# Allegro board WeChat_ZM_PART_20200601.brd (continued)
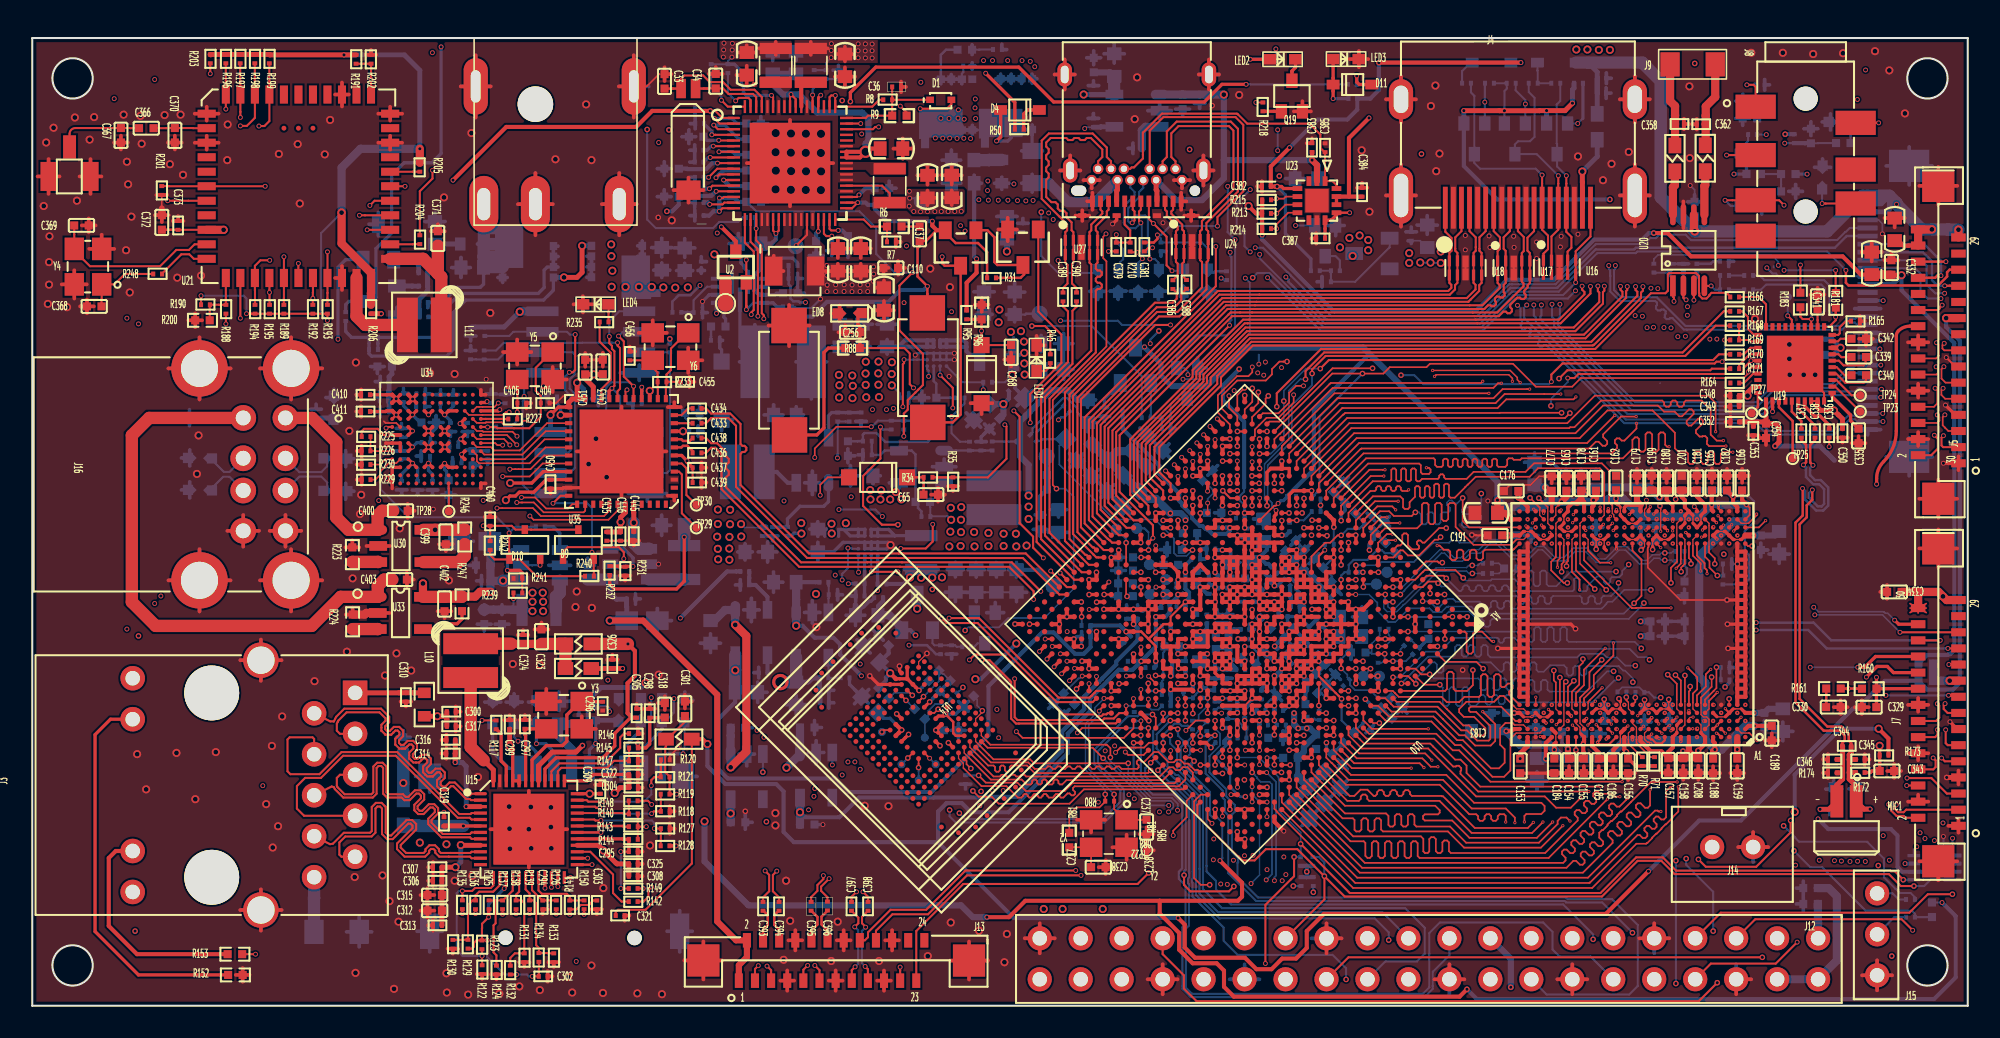
[diagram p0: board, top side]
## Routing (per net, layer and track width the routed paths; a pad name or vN(x,y) marks a point on that pad's centre or on a via; arc(x,y) is an arc through that point) (continued)
V5.0V: length 151.8
  TOP w0.102: 116.92,24.35 J7.28 ; J7.28 117.43,24.66 ; J7.28 117.43,24.38 ; J7.28 116.42,24.66 ; J7.28 116.42,24.93 ; J7.28 117.43,24.93 ; J7.28 116.42,24.38
  TOP w0.203: U23.13 U23.12
  TOP w0.254: 81.64,50.17 81.64,53.8 v1(82.88,55.05) ; 81.64,50.17 U23.13 ; 81.64,50.17 82.17,50.17 82.17,50.17 C384.1 ; J5.28 116.35,47.13 116.33,47.12 116.03,47.12 115.71,47.44 C333.1
  TOP w0.305: C443.1 35.37,39.15 v5(34.81,39.15) C451.1 34.28,38.88 34.78,38.37 U35.22
  TOP w0.381: v5(35.8,23.88) 37.87,23.88 42.47,19.28 42.47,5.23 43.64,4.06 J13.2 44.31,3.01 43.81,2.51 J13.1
  TOP w0.508: v5(117.78,48.14) 116.92,48.14 J5.28 ; U20.6 103.02,48.11 103.07,48.06 v5(103.07,48.01) ; v5(28.41,25.66) 27.76,25.66 27.46,25.37 R247.1 ; U33.5 v5(24.22,26.18) ; J7.30 116.92,25.66 C334.1 ; J7.30 118.19,25.66 v5(118.47,25.38) 118.69,25.16 J7.29 ; J7.30 J7.28 ; J5.29 v5(119.42,48.12)
  TOP w0.762: U33.5 25.55,25.35 C402.1 26.64,25.36 R247.1 ; 25.64,29.51 v5(24.98,29.51) U30.5 ; 25.64,29.51 C399.1 ; 25.64,29.51 C399.1 ; R246.1 26.81,29.51 C399.1
  POWER1 w0.229: J14.1 104.95,9.84 ; J14.1 103.35,9.84 ; J14.1 104.15,10.64 ; J14.1 104.15,9.04 ; 109.92,1.64 J12.2 ; J12.2 111.52,1.64 ; J12.2 110.72,0.84 ; J12.2 110.72,2.44 ; J12.4 108.98,1.64 ; J12.4 108.18,0.84 ; J12.4 107.38,1.64 ; J12.4 108.18,2.44
  BOTTOM w0.127: R216.1 v1(77.1,59.32)
  BOTTOM w0.229: 56.98,54.01 Q8.7 ; Q8.7 57.28,54.3 ; Q8.7 56.68,54.3 ; Q8.7 56.98,54.58 ; Q4.7 37.82,46.12 ; Q4.7 37.82,45.52 ; Q4.7 37.54,45.82 ; Q4.7 38.11,45.82 ; C73.1 40.45,46.03 ; C73.1 40.95,45.58 ; C73.1 40.45,45.13 ; C73.1 39.95,45.58 ; Q8.5 58.28,54.58 ; Q8.5 58.28,54.01 ; Q8.5 58.58,54.3 ; Q8.5 57.98,54.3 ; 38.53,45.61 C72.1 ; C72.1 39.53,45.61 ; C72.1 39.03,45.16 ; C72.1 39.03,46.06 ; 57.63,54.01 Q8.6 ; Q8.6 57.33,54.3 ; Q8.6 57.63,54.58 ; Q8.6 57.93,54.3 ; C74.1 41.48,45.76 ; C74.1 41.68,45.59 ; C74.1 41.28,45.59 ; C74.1 41.48,45.41 ; 37.74,44.74 Q4.8 38.1,45.17 ; Q4.5 37.82,47.42 ; Q4.5 37.82,46.82 ; Q4.5 37.54,47.12 ; 37.82,46.17 Q4.6 ; Q4.6 37.82,46.77 ; Q4.6 37.54,46.47
  BOTTOM w0.305: J6.29 114.64,49.72 115.14,50.22 115.14,49.38 114.98,49.22 J6.28 ; 28.41,26.34 C444.1 28.41,26.35 C457.1 ; C327.1 97.03,57.49 C328.2 97.03,56.58 ; 97.03,56.58 FB5.2 ; 97.03,56.58 97.03,57.89 96.44,58.48 ; U36.4 35.84,25.58 36.21,25.2 36.83,25.2 C440.1 36.85,24.74 36.86,24.74 C441.1 ; v5(65.18,56.5) C375.1 66.23,56.5 66.23,56.5 U22.5
  BOTTOM w0.381: C374.1 66.83,57.87 C378.1
  BOTTOM w0.508: C442.1 28.41,28.76 28.41,27.31 C457.1 28.41,27.3 v5(28.41,25.66) ; v5(103.07,48.01) 103.07,48.06 103.06,48.07 C364.1 ; J12.4 J12.2 111.89,2.81 111.89,6.79 111.38,7.3 C392.2 ; C441.1 v5(35.8,23.88) ; 116.92,25.66 118.19,25.66 v5(118.47,25.38) ; v5(29.19,26.36) 29.18,26.35 C444.1
  BOTTOM w0.762: C452.1 35.83,26.42 U36.4 ; v5(119.42,48.12) 118.79,48.12 118.78,48.14 v5(117.78,48.14) 117.15,48.14 v1(115.58,49.7) 115.58,49.78 115.14,50.22 J6.30 113.49,50.22 111.28,48.01 v5(103.07,48.01) 100.97,50.12 100.97,57.33 99.82,58.48 D7.1 ; v5(29.19,26.36) U39.4 ; U22.5 67.08,56.51 C374.1
  vias: v1(55.99,53.8) v1(56.33,55.02) v1(56.45,53.79) v1(56.84,55.01) v1(56.88,53.79) v1(57.34,53.78) v1(57.42,55.55) v1(57.4,55.03) v1(57.78,54.97) v1(57.76,53.78) v1(58.18,53.77) v1(58.47,56.22) v1(58.45,55.67) v1(58.49,55.01) v5(35.9,47.21) v5(35.91,46.47) v5(35.92,44.58) v5(35.97,45.57) v5(36.78,44.57) v5(37.62,44.57) v5(38.41,44.57) v5(39.13,44.54) v5(39.87,44.52) v5(40.64,44.54) v5(95.73,59.29) v5(96.42,59.29) v5(97.13,59.26) v5(97.82,59.26)
VBUS_TYPEC: length 48.2
  TOP w0.254: v1(79.35,52.43) 79.35,52.93 C383.1 ; v1(58.55,46.31) 58.55,45.45 57.93,44.83 R95.1
  TOP w0.305: J11.B4 67.28,50.58 67.23,50.53 J11.A9 ; J11.B9 69.68,50.58 69.73,50.53 J11.A4
  TOP w0.381: U23.2 79.65,52.13 v1(79.35,52.43)
  POWER1 w0.381: J11.B4 67.28,50.81 67.66,50.43 69.3,50.43 69.68,50.81 J11.B9
  BOTTOM w0.229: 60.11,50.62 R48.1 ; R48.1 60.56,50.99 ; R48.1 60.11,51.37 ; R48.1 59.66,50.99 ; R47.1 61.99,51.55 ; R47.1 61.99,50.45 ; R47.1 61.34,51 ; 58.4,51.5 C83.1 58.85,50.99
  BOTTOM w0.254: C83.1 58.4,46.46 v1(58.55,46.31)
  BOTTOM w0.381: C376.1 79.69,52.09 v1(79.35,52.43) 73.88,52.43 ; 73.88,52.43 v5(73.88,56.49) ; 73.88,52.43 73.88,51.3 72.52,49.95 70.92,49.95 J11.B9
  BOTTOM w0.508: v5(73.88,56.49) C377.1 C380.1 71.32,56.5 U22.1
  BOTTOM w0.635: R47.1 63.05,51 64.22,49.83 65.92,49.83 J11.B4
  vias: v1(58.69,49.97) v1(59.24,51.13) v1(59.22,50.54) v1(59.28,49.95) v1(59.89,49.94) v1(60.49,49.94) v1(60.86,50.95) v1(61.08,49.92) v1(61.6,49.9) v1(62.05,49.93)
VCC0V9_DDR0PLL: length 6
  TOP w0.102: v2(81.15,29.16) 80.93,29.16 80.47,28.71 80.16,28.71 79.31,27.85 U10.R8
  BOTTOM w0.127: v2(81.15,29.16) 81.56,29.57 82.27,29.57 C215.1 82.25,30.27 82.25,30.3 R76.2
VCC0V9_DDR1PLL: length 5.7
  TOP w0.127: v2(81.18,19.03) 81.01,19.2 81.01,19.2 80.82,19.39 80.82,19.39 79.77,20.44 U10.H14
  BOTTOM w0.127: v2(81.18,19.03) 81.18,17.7 R79.2 82.16,17.16 82.16,17.17 C217.1
VCC0V9_S3: length 38.9
  TOP w0.102: U10.H20 v2(77.01,17.69)
  TOP w0.254: U10.L24 v2(73.79,17.23)
  SIG1 w0.203: v2(73.79,17.23) 73.79,16.64 74.12,16.31 74.8,16.31 75.72,17.23 76.55,17.23 v2(77.01,17.69)
  POWER1 w0.254: v2(54.76,22.97) 55.06,22.97 59.33,18.7 59.33,17.96 63.29,14.01 v2(75.15,14.01)
  SIG2 w0.152: v2(73.79,17.23) 73.86,17.16 73.86,16.59 74.12,16.34 74.27,16.34 75.47,15.13 75.47,14.8 75.15,14.48 v2(75.15,14.01)
  BOTTOM w0.102: C247.1 77.01,17.56 v2(77.01,17.69)
  BOTTOM w0.127: C286.1 74.11,17.23
  BOTTOM w0.254: C90.1 52.75,25.1 52.44,24.79 C89.1 ; 74.11,17.23 v2(73.79,17.23) ; Q10.2 54.44,23.29 v2(54.76,22.97)
  BOTTOM w0.508: Q10.2 53.91,23.44 53.14,24.21 C89.1
VCC1V8_DDR: length 298.1
  TOP w0.076: 94.62,31.05 94.46,30.89 94.46,30.41 U11.AH25 ; 98.32,16.16 98.46,16.3 98.46,16.91 98.5,16.95 ; 99.02,29.91 99.4,29.91 ; 98.46,30.86 98.46,30.47 ; 99.71,17.23 U11.B14 ; 94.46,16.31 94.46,16.91
  TOP w0.102: U10.AB8 77,31 77.1,31 v1(77.24,31.15) ; v2(106.28,31.08) 106.48,30.88 106.48,30.42 U11.AH1 ; 98.3,16.13 98.32,16.16
  TOP w0.127: v1(29.56,29.31) 29.56,29.1 29.56,28.94 29.56,28.93 29.56,28.16 29.59,28.14 D10.1 ; D10.1 28.66,27.67 28.39,27.95 R242.2 ; D10.1 30.21,27.67 31.25,26.63 R240.2 ; U11.B14 99.88,17.33 v6(99.9,17.33) ; U11.AH10 v3(101.71,30.04) ; U11.B16 98.88,17.33 98.91,17.33 v6(98.93,17.35) ; R225.1 20.42,35.63 20.56,35.77 21.42,35.77 21.8,35.39 v1(22,35.39) U34.G12 ; v6(101.6,17.05) 101.71,17.16 U11.B10 ; v1(45.83,56.44) 45.93,56.34 U1.63
  TOP w0.152: v1(22.57,36.64) 22.32,36.39 U34.J12 ; 98.46,30.86 98.46,30.93 98.3,31.09
  TOP w0.203: v1(22.57,36.64) 22.57,36.63 U34.J11 ; v1(22.57,36.64) U34.K11 ; v1(22.57,36.64) 22.56,36.64 ; 98.46,30.47 98.46,30.41 U11.AH16 98.96,29.91 99.02,29.91 ; 22.56,37.64 v1(22.57,37.64) U34.M11 ; U34.M12 21.97,37.89 21.96,37.88 C410.1 ; v1(23.59,37.62) 23.55,37.62 ; v1(23.59,37.62) 23.59,37.66 U34.M9 ; v1(23.59,37.62) 23.81,37.39 U34.L9 ; U34.K12 21.97,36.89 21.92,36.84 C411.1 ; v2(94.82,31.25) 94.62,31.05 ; U11.AH14 99.46,29.91 99.4,29.91
  TOP w0.229: C9.1 44.8,59.1 ; C9.1 43.8,59.1 ; C9.1 44.3,59.55 ; L3.2 46.09,59.76 ; L3.2 45.04,59.36 ; L3.2 46.09,58.96
  TOP w0.254: C162.1 v2(98.2,31.45) 98.2,31.2 98.3,31.09 ; U11.B1 106.41,17.35 106.46,17.35 106.46,17.35 v2(106.77,17.35) C189.1 ; U34.L11 v1(22.57,37.64) ; v1(22.57,37.64) U34.L12 ; v1(22.57,37.64) 22.32,37.89 U34.M12 ; U11.A20 96.71,16.39 96.71,16.39 96.71,16.11 97.11,15.7 C185.1 ; 98.5,16.95 U11.B16 ; U34.L10 23.36,37.39 v1(23.59,37.62) 23.32,37.89 U34.M10 ; v1(22.57,36.64) 22.32,36.89 U34.K12 ; U34.G12 U34.G11 ; 98.3,16.13 98.03,15.87 C186.1 ; U11.B29 91.95,17.16 91.95,17.16 91.88,17.16 91.88,17.15 91.82,17.15 91.69,17.02 v2(91.39,17.02) ; 106.26,31.09 v2(106.28,31.08) ; 106.26,31.09 106.01,31.35 C166.1 ; 106.26,31.09 106.25,31.09 ; U11.AJ5 104.12,30.75 v2(104.12,31.08) 104.12,31.56 104.14,31.58 C165.1 ; 91.69,30.16 U11.AH29 ; U10.J24 v1(74.71,17.22) U10.K23 ; v2(104.32,15.88) 104.32,16.29 104.21,16.39 U11.A5 ; 94.46,16.31 94.37,16.22 v2(94.37,15.87) C184.1 ; U11.AJ20 96.71,30.92 96.79,31 v2(96.79,31.35) ; 94.46,16.91 U11.B25
  TOP w0.305: v1(95.49,55.96) 95.03,55.5 95.03,55.5 v1(93.89,55.5) 93.46,55.5 93.45,55.49 v1(91.27,55.49) 90.97,55.49 90.97,55.5 v1(88.76,55.5) ; R206.1 21.63,42.91 v1(21.64,42.9)
  TOP w0.381: v2(104.32,15.88) 104.22,15.78 C188.1 ; 91.69,30.16 91.29,30.56 C160.1 v2(90.84,31.35) ; v2(94.82,31.25) 95.12,31.55 C163.1 ; v2(96.79,31.35) 96.8,31.35 96.95,31.5 C161.1 ; C186.1 97.87,15.32 97.87,15.32 v2(97.61,15.32) 97.31,15.32 97.3,15.32 C185.1
  GND1 w0.127: v6(101.6,17.05) 101.26,17.05 101.15,17.16 100.14,17.16 100.13,17.18 100.05,17.18 v6(99.9,17.33) 99.11,17.33 99.09,17.35 v6(98.93,17.35)
  SIG1 w0.127: v1(50.6,26.17) 50.6,27.42 51.22,28.04 51.22,32.68 53.39,34.85 v1(53.39,37.04)
  POWER1 w0.127: 101.74,30 101.74,30.01 v3(101.71,30.04)
  POWER1 w0.203: v3(101.71,30.04) 101.97,30.04
  POWER1 w0.254: v2(97.82,49.99) 97.82,48.98 100.76,46.03 102.08,46.03 103.66,44.46 103.66,41.19 103.94,40.91 103.94,34.98 106.28,32.64 v2(106.28,31.08)
  POWER1 w0.305: 101.97,30.04 102.34,29.67 102.34,29.51 102.55,29.3 102.84,29.3 103.34,29.8 103.36,29.8 103.63,30.08 104.32,30.08 104.37,30.03 104.84,30.03 105.01,29.86 105.01,29.68 105.21,29.47 105.51,29.47 105.71,29.68 105.71,29.98 106.22,30.49
  SIG2 w0.203: v1(68.96,40.85) 66.7,40.85 62.36,36.51 57.27,36.51 57.25,36.53 v1(57,36.53) 53.9,36.53 v1(53.39,37.04)
  SIG2 w0.254: v1(74.71,17.22) 76.14,17.22 76.16,17.21 76.45,16.92 76.45,16.91 76.45,16.9 76.45,16.74 76.79,16.4 76.79,16.39 76.81,16.33 76.83,16.28 76.87,16.23 77.36,15.74 77.41,15.71 77.46,15.68 77.52,15.67 77.53,15.67 77.87,15.33 78.2,15.33 79.36,14.17 79.36,8.65 v2(79.02,8.31)
  BOTTOM w0.102: R5.2 43.13,58.57 v1(43.38,58.81) ; 74.71,16.86 74.71,16.81 74.73,16.79
  BOTTOM w0.127: R21.1 57.86,34.97 57.52,34.97 57,35.49 v1(57,36.53) 57.8,37.33 R32.1 ; C273.1 74.73,16.84 ; v2(38.13,54.33) 38.13,48.75 38.66,48.21 42.21,48.21 42.6,48.6 43.76,48.6 44.04,48.87 44.24,48.87 R3.1 ; R5.2 R4.2 ; v1(22,35.39) 21.62,35 21.62,32.01 23.34,30.28 28.8,30.28 29.56,29.52 v1(29.56,29.31) 29.96,29.7 R238.2 ; R156.1 R154.1 91.42,56.86 91.27,56.71 v1(91.27,55.49) Q15.1
  BOTTOM w0.203: v1(45.83,56.44) 44.27,56.44 44.09,56.62 44.09,57.03 43.97,57.16 43.97,57.94 43.53,58.38 R5.2 ; v1(74.71,17.22) 74.71,16.86 74.73,16.84 C277.1 ; v1(68.96,40.85) 68.45,40.85 Q11.3 ; C414.1 23.82,37.85 v1(23.59,37.62) 23.8,37.4 C416.1 ; v1(50.6,26.17) 50.6,26.17 R10.1 ; v1(77.24,31.15) 77.42,31.32 77.58,31.32 77.8,31.55 C278.1 ; 22.37,36.83 C415.1 ; C412.1 22.13,38.71 ; v1(22.57,37.64) 22.43,37.77 C413.1
  BOTTOM w0.254: Q16.1 88.76,52.06 90.83,49.99 v2(97.82,49.99) ; 82.89,40.43 82.89,40.4 79.45,36.96 79.45,33.25 77.8,31.6 C278.1 ; 79.02,7.97 v2(79.02,8.31) 79.02,8.68 ; 79.02,7.97 R106.2 ; 79.02,7.97 R105.2 ; v1(22.57,36.64) 22.37,36.83 ; R104.2 79.02,8.68 ; 79.02,8.68 R103.2 ; U29.3 U29.6 115.92,8.31 115.65,8.59 115.65,10.55 115.24,10.95 111.35,10.95 v1(110.72,11.59)
  BOTTOM w0.305: 70.65,38.41 69.98,39.07 69.98,39.8 68.98,40.81 68.88,40.81 ; C415.1 22.12,37.43 22.09,37.47 C413.1 22.09,38.07 22.12,38.1 C412.1 22.12,39 22.3,39.18 C409.1 ; 68.88,40.81 68.94,40.86 68.93,40.86 ; 68.88,40.81 Q11.3 ; R158.1 95.59,56.9 95.49,56.8 v1(95.49,55.96) ; Q17.1 v1(93.89,55.5) ; Q16.1 v1(88.76,55.5)
  BOTTOM w0.381: 70.65,38.41 72.8,38.41 75.2,40.81 82.51,40.81 90.84,32.48 v2(90.84,31.35)
  BOTTOM w0.483: v2(104.12,31.08) 104.54,31.08 104.56,31.06 105.67,31.06 105.69,31.08 v2(106.28,31.08)
  BOTTOM w0.508: 103.73,16.46 v2(104.32,15.88) 104.75,15.88 106.22,17.35 v2(106.77,17.35) ; 103.73,16.46 103.73,20.01 103.35,20.4 C164.1 C187.1 103.35,27.16 103.48,27.29 103.48,28.02 105.49,30.03 106.12,30.03 106.28,30.19 106.28,30.65 v2(106.28,31.08) ; 103.73,16.46 98.76,16.46 v2(97.61,15.32) 94.92,15.32 v2(94.37,15.87) 94.06,16.19 92.23,16.19 v2(91.39,17.02) C183.1 ; v2(90.84,31.35) 91.28,30.92 93.62,30.92 93.95,31.25 v2(94.82,31.25) 96.69,31.25 v2(96.79,31.35) 97.67,31.35 97.77,31.45 v2(98.2,31.45) 98.62,31.45 99.73,30.34 101.05,30.34 101.05,30.33 103.38,30.33 v2(104.12,31.08)
  vias: v1(42.85,58.82) v1(42.88,59.68) v1(42.87,59.26) v1(43.41,59.67) v1(43.4,59.26) v5(62.71,6) v5(63.88,6) v5(66.37,6)
VCC1V8_DVP: length 107
  TOP w0.127: U1.31 48.73,48.02 v1(48.73,48.02)
  TOP w0.254: v2(100.53,47.91) 101.4,47.91 102.84,46.46 112.24,46.46 113.37,45.33 C331.1 ; 76.26,48.46 76.25,48.46 ; 76.25,48.46 76.25,48.46 R213.1 ; 76.25,48.46 R214.1 v1(76.25,47.79) ; R213.1 75.87,49.12 v5(75.41,49.59) ; R213.1 76.25,49.4 76.26,49.41 R215.1
  TOP w0.305: v5(115.9,45.29) 115.3,45.29 C332.1
  TOP w0.508: C332.1 114.76,45.32 114.75,45.33 C331.1
  SIG2 w0.254: v1(48.73,48.02) 49.24,48.52 50.39,48.52 50.75,48.16 56.82,48.16 57.45,48.8 60.29,48.8 60.82,48.27 63.42,48.27 64.62,49.46 74.91,49.46 75.04,49.59 v5(75.41,49.59)
  BOTTOM w0.254: v5(115.9,45.29) 115.9,44.36 119.16,41.09 119.16,22.05 118.92,21.8 118.82,21.8 118.77,21.75 117.48,21.75 R162.1 ; v1(48.73,48.02) 48.6,47.88 48.6,47.42 C14.1 ; v1(76.25,47.79) 76.25,47.51 80.73,43.03 89.46,43.03 91.44,45.01 91.86,45.01 94.34,45.01 96.82,47.5 99.83,47.5 100.23,47.91 v2(100.53,47.91)
  BOTTOM w0.305: v5(115.9,45.29) 115.32,44.72 J6.19
VCC1V8_PMUPLL: length 88.5
  TOP w0.127: v1(42.25,54.6) 42.51,54.35 U1.3
  TOP w0.254: U10.R24 71.88,19.6 70.58,19.6 U10.U25 70.59,19.97 v2(70.59,19.61)
  SIG1 w0.127: v2(79.87,31.03) 79.43,31.03 79.13,30.72 79.13,30.46 78.71,30.04 78.71,29.96 78.37,29.62 77.17,29.62 76.1,30.69 75.5,30.69 75.32,30.87 75.04,30.87 74.63,30.45 74.63,29.72 75.79,28.55 76.11,28.55 76.58,28.09 76.58,25.91 76.86,25.63 76.86,25.35 75.76,24.25 75.5,24.25 75.32,24.43 72.25,24.43 72.08,24.26 71.82,24.26 71.63,24.45 69.56,24.45 69.54,24.43 69.53,24.43 69.35,24.25 69.35,23.99 69.81,23.53 70.71,23.53 70.84,23.4 71.83,22.41 71.83,21.24 71.38,20.79 71.38,20.78 71.2,20.6 71.19,20.6 70.59,20 v2(70.59,19.61)
  POWER1 w0.254: v2(79.87,31.03) 79.87,36.82 78.33,38.36 76.59,38.36 76.21,38.74 75.03,38.74 74.45,39.32 74.45,39.75 67.29,46.92 66.98,47.22 66.52,47.22 65.74,48.01 65.74,48.47 62.24,51.96 51,51.96 50.32,52.64 50.32,53.66 48.96,55.03 48.49,55.04 46,55.04 45.56,54.6 v1(42.25,54.6)
  BOTTOM w0.203: R102.2 v2(79.87,31.03) R101.2 ; v1(42.25,54.6) 42.93,54.6 43.8,53.73 C17.1
  BOTTOM w0.254: C244.1 70.58,19.58 70.58,19.65 ; C243.1 70.58,19.65 ; 70.58,19.65 70.59,19.64 v2(70.59,19.61) 70.59,18.88 70.58,18.87 R99.2
VCC1V8_S3: length 133.6
  TOP w0.127: v2(53.67,29.82) 52.68,29.82 51.51,30.99 51.51,32.85 52.59,33.92 v1(52.59,35.88)
  TOP w0.203: U14.K6 56.9,16.21 56.9,16.21 v2(56.8,16.31) ; v2(54.98,19.55) 54.78,19.74 54.78,19.74 U14.W4 U14.Y4 ; U14.Y4 53.79,20.27 U14.AA5 ; U14.Y4 U14.AA3
  TOP w0.254: U10.J20 v2(77.01,18.6) 77.01,19.06 U10.J19 ; U10.K24 v2(74.25,16.77) ; U14.AA5 v5(53.19,20.62) ; U10.J22 75.69,17.68 v2(76.09,17.68) ; U10.AB14 v2(73.33,26.87) ; U10.AB12 v2(73.79,28.25) ; U10.AC10 v2(74.25,29.63)
  SIG1 w0.127: v2(76.09,17.68) 76.09,17.92 76.12,17.96 76.12,18.17 76.56,18.6 v2(77.01,18.6)
  SIG1 w0.203: v2(76.09,17.68) 75.68,17.68 74.76,16.77 v2(74.25,16.77)
  SIG1 w0.381: v5(53.19,20.62) 53.19,22.16 55.8,24.77 v2(55.8,25.81)
  POWER1 w0.254: v2(56.8,16.31) 57.02,16.08 59.23,16.08 61.65,13.66 73.25,13.66 74.18,12.73 74.98,12.73 v2(75.21,12.96) ; v1(40.18,24.03) 40.18,22.56 44.78,17.96 50.54,17.96 v5(53.19,20.62)
  POWER1 w0.381: v2(55.8,25.81) 53.59,25.81 52.55,26.85 52.55,28.71 v2(53.67,29.82) 55.47,31.63 v5(61.77,31.63) ; v2(56.8,16.31) 57.18,16.68 57.18,18.55 55.92,19.8 55.24,19.8 v2(54.98,19.55) ; v5(53.19,20.62) 53.55,20.26 54.26,20.26 54.95,19.57
  SIG2 w0.254: v2(74.25,29.63) 74.25,28.72 v2(73.79,28.25) 73.49,28.25 73.48,28.25 73.2,28.25 72.87,27.92 72.87,27.33 v2(73.33,26.87)
  BOTTOM w0.152: v2(75.21,12.96) 74.87,12.96 74.27,13.57 74.27,14.45 73.41,15.31 73.41,15.53 73.49,15.61 ; v1(52.59,35.88) 52.74,35.73 R25.2 ; 61.06,34.98 R18.1
  BOTTOM w0.203: v2(54.98,19.55) 55.17,19.74 55.18,19.74 R116.1 ; 66.47,37.26 66.47,37.62 66.83,37.98 66.98,37.98 67.45,38.46 Q11.2 ; 73.49,15.61 74.25,16.37 v2(74.25,16.77)
  BOTTOM w0.229: C92.1 66.67,37.08 ; C92.1 66.47,37.26 ; C92.1 66.27,37.08 ; 65.43,37.11 C91.1 ; C91.1 65.43,38.01 ; C91.1 65.93,37.56
  BOTTOM w0.254: v2(76.09,17.68) 76.09,17.43 C269.1 ; 67.6,36.96 67.6,35.77 69.88,33.49 69.88,33 71.12,31.76 71.12,31.3 71.24,31.18 71.28,31.12 71.3,31.06 71.31,31.01 71.91,30.42 71.91,30.23 72.39,29.74 72.56,29.74 72.75,29.56 72.81,29.55 72.88,29.52 72.94,29.48 73.16,29.26 74.07,29.26 74.25,29.44 v2(74.25,29.63) C280.1 ; v2(77.01,18.6) 77.01,18.3 C285.1 ; v2(73.79,28.25) 73.42,28.25 C287.1 ; v1(40.18,24.03) 43.08,26.93 43.65,26.93 43.65,26.93 R29.1 ; C293.1 53.09,21.85 C292.1 53.19,20.63 v5(53.19,20.62) 52.93,20.35 52.93,20.15 R114.1 ; v2(74.25,16.77) 73.91,16.43 C248.1 ; C279.1 73.33,26.83 v2(73.33,26.87)
  BOTTOM w0.381: 61.24,34.98 61.06,34.98 ; 61.24,34.98 61.24,34.07 61.77,33.53 v5(61.77,31.63) ; 61.24,34.98 61.24,36.23 61.61,36.6 61.62,36.6 61.86,36.84 61.86,36.85 63.17,38.16 64.19,38.16 64.79,37.56 C91.1
VCC3V0_SD: length 22.4
  POWER1 w0.254: v5(43.3,11.92) 42.49,11.92 39.67,14.74 39.67,17.1 38.02,18.75 v5(38.02,20.02)
  BOTTOM w0.305: v5(38.02,20.02) 37.74,19.74 35.26,19.74 34.46,18.94 34.46,17.74 34.2,17.48 C252.1
  BOTTOM w0.508: C252.1 C251.1 32.66,16.69 33.44,15.91 J2.4 ; U13.5 v5(43.3,11.92) 43.3,11.38 C254.1
VCC3V0_TOUCH: length 1.9
  TOP w0.127: v1(49.97,48.07) 49.53,48.07 49.43,48.17 U1.33
  BOTTOM w0.254: v1(49.97,48.07) 50.22,48.07 C16.1
VCC3V3_S0: length 44.8
  TOP w0.127: U1.11 42.6,51.55 v1(42.39,51.34)
  SIG1 w0.305: v1(42.39,51.34) 42.39,51.06 43.18,50.27 43.18,48.16 45.77,45.58 45.77,32.85 46.18,32.44 46.18,22.31 47.12,21.36 47.12,15.12 v5(46.76,14.76)
  BOTTOM w0.254: v1(42.39,51.34) 42.59,51.53 42.59,51.53 42.85,51.79 C30.1
  BOTTOM w0.508: 47.6,15.62 47.6,15.7 U12.1 C245.1 ; 47.6,15.62 47.6,15.61 v5(46.76,14.76) ; 47.6,15.62 47.6,15.63
VCC3V3_S3: length 316.9
  TOP w0.102: U14.M6 56.18,16.93 56.18,16.93
  TOP w0.127: C321.1 36.17,5.81 36.32,5.95 38.02,5.95 40.89,8.82 FB4.1 ; U1.7 v1(42.58,52.95)
  TOP w0.203: v1(75.26,57.13) 73.76,57.13 72.67,56.04 63.32,56.04 61.16,58.2 52.3,58.2 50.72,56.62 v2(50.72,56.06)
  TOP w0.254: 53.91,17.1 53.89,17.1 U14.U9 ; 53.91,17.1 v2(53.91,17.1) ; 53.91,17.1 53.74,16.93 53.74,16.93 U14.T10 ; U10.J23 v2(75.17,17.68) ; U10.AB18 71.42,25.5 71.42,25.5 v2(71.03,25.5) ; U10.AB21 v2(69.66,24.12) ; v1(100.2,8.34) 97.56,5.69 80.09,5.69 79.02,4.63 79.02,3.59 78.36,2.93 77.5,2.93 76.84,2.27 75.9,2.27 75.18,2.98 72.09,2.98 71.45,3.61 71.45,5.03 v1(71.04,5.44) ; v5(41.86,16.23) 41.56,16.53 FB4.1 ; 56.18,16.93 v2(56.02,17.08) 56.37,17.43 U14.N5 ; U10.Y25 v2(68.75,21.36)
  TOP w0.508: J5.19 v5(118.66,42.63)
  SIG1 w0.127: v2(75.17,17.68) 74.61,17.68 74.48,17.8 73.86,18.43 73.07,18.43 71.83,19.67 71.64,19.85 71.64,20.11 72.05,20.52 72.05,21.51 72.27,21.73 72.27,22.87 71.02,24.12 v2(69.66,24.12)
  SIG1 w0.203: v1(42.58,52.95) 44.85,55.22 49.89,55.22 v2(50.72,56.06)
  SIG1 w0.381: v1(42.58,52.95) 44.26,51.26 44.26,48.18 46.09,46.35 46.54,45.9 46.54,33.18 47.03,32.7 47.03,31.13 47.02,31.12 47.02,30.43 46.61,30.03 46.61,22.49 47.65,21.44 47.65,14.64 46.76,13.75 42.93,13.75 41.88,14.79 41.88,15.76 41.86,15.78 v5(41.86,16.23)
  POWER1 w0.254: v2(53.91,17.1) 54.12,17.31 55.49,17.31 55.72,17.08 v2(56.02,17.08)
  POWER1 w0.381: v5(23.01,13.81) 23.01,14.99 28.47,20.45 33.91,20.45 36.4,22.94 38.33,22.94 41.86,19.41 v5(41.86,16.23) 53.03,16.23 v2(53.91,17.1)
  BOTTOM w0.127: v1(75.26,57.13) 75.54,57.13 75.54,57.13 R217.1
  BOTTOM w0.203: v1(42.58,52.95) 43.41,52.95 43.6,52.76 C28.1 ; C290.1 52.77,17.82 53.18,17.82 v2(53.91,17.1)
  BOTTOM w0.254: v2(75.17,17.68) C267.1 ; C261.1 71.29,25.5 v2(71.03,25.5) 71.03,25.4 70.51,24.87 70.51,24.37 70.26,24.12 69.99,24.12 ; v5(41.86,16.23) 41.86,14.86 42.98,13.75 46.13,13.75 46.58,13.29 46.58,10.77 47.22,10.14 56.16,10.14 ; 56.16,10.14 56.16,12.04 56.68,12.57 57.63,12.57 58.2,11.99 60.53,11.99 64.2,15.66 64.2,16.88 65.57,18.25 65.57,19.04 65.8,19.27 65.81,19.27 66.26,19.72 66.27,19.72 66.68,20.13 66.68,20.15 67.36,20.83 68.23,20.83 v2(68.75,21.36) ; 56.16,10.14 60.86,5.44 v1(71.04,5.44) ; v1(100.2,8.34) 103.35,11.49 105.94,11.49 112.88,18.42 113.13,18.42 114.86,20.15 R163.1 117.5,19.6 119.08,19.6 119.51,20.02 119.51,41.23 118.66,42.08 v5(118.66,42.63) ; v2(56.02,17.08) 56.5,17.08 C291.1 ; C264.1 68.48,21.36 v2(68.75,21.36) ; 69.99,24.12 C270.1 ; 69.99,24.12 v2(69.66,24.12) 69.66,22.27 v2(68.75,21.36)
  BOTTOM w0.762: C320.1 23.01,15.74 v5(23.01,13.81) FB2.1
VCC3V3_S5: length 48.8
  TOP w0.127: U1.35 50.83,49.45 v1(51.18,49.8) U1.36 ; U2.2 v1(44.27,46.24) ; U1.53 49.43,56.34 49.54,56.44 v1(49.79,56.44) 49.78,56.43 49.78,55.75 U1.52 52.08,55.75 52.51,56.17 R8.2
  TOP w0.152: 56.08,48.08 55.92,47.92 55.91,47.92 55.41,47.42 C37.2 55.01,47.09 54.89,46.97 54.89,45.22 v1(55.5,44.61) 55.5,44.13 55.5,44.13 SW1.1 ; U2.2 44.27,43.39 44.27,43.39 v1(44.27,43.16) ; R31.1 59.2,46.72 58.64,47.29 57.25,47.29 56.61,47.93 Q1.2
  TOP w0.254: v1(55.8,48.65) 55.8,48.36 56.08,48.08 Q1.2
  SIG1 w0.254: v1(49.79,56.44) 49.99,56.64 50.93,56.64 51.87,55.7 51.87,54.34 52.3,53.9 52.3,50.64 51.45,49.8 v1(51.18,49.8)
  BOTTOM w0.152: U9.6 44.7,43.58 44.44,43.32 44.43,43.32 v1(44.27,43.16)
  BOTTOM w0.203: U9.6 45.93,43.58 46.18,43.33 C81.1
  BOTTOM w0.254: v1(51.18,49.8) 51.67,49.8 51.81,49.66 52.23,49.66 C13.2 52.25,49.4 53,48.65 v1(55.8,48.65) ; C81.1 46.55,43.05 46.88,42.73 48.36,42.73 49.28,43.64 53.09,43.64 53.82,44.38 55.27,44.38 v1(55.5,44.61)
VCC3V3_SYS: length 315.6
  TOP w0.127: U1.10 42.47,51.9 v1(41.93,51.36) ; U1.8 v1(42.04,52.6) ; U1.16 42.91,49.8 42.8,49.69 v1(42,49.69) ; R45.1 63.12,41.81 62.79,42.14 v2(61.98,42.14) ; U1.24 46.28,48.06 v1(46.11,47.89) 45.93,48.06 U1.23 ; U1.1 42.78,55.05 42.35,55.48 v2(42.04,55.48) ; U1.59 47.33,56.21 v1(47.04,56.5) 46.98,56.44 U1.60 ; v1(49.57,47.72) 49.23,47.72 49.08,47.87 U1.32 ; v1(41.98,50.66) 42.17,50.85 U1.13 ; U21.9 8.04,48.11 C372.1 9.03,48.12 C373.1 ; v1(42.13,54) 42.34,54 42.35,54 U1.4
  TOP w0.203: U23.4 77.58,50.67 77.45,50.79 v2(77.18,50.79)
  TOP w0.254: v2(77.18,50.79) 77.07,50.79 77.07,50.8 C382.1 76.79,52.04 v1(77.95,53.2) ; U1.45 50.49,52.96 ; U1.45 U1.44 51.32,52.6 v9(51.67,52.95) ; U1.45 v9(51.67,52.95) ; v1(92.3,58.48) v2(83.49,58.48) ; v9(51.67,52.95) 51.87,53.14 C6.2 ; v1(26.09,51.19) 29.39,54.49 37.44,54.49 38.43,55.48 v2(42.04,55.48)
  TOP w0.508: v5(43.59,23.62) 44.27,22.93 44.27,15.76 v5(43.3,14.78) ; U21.9 v5(11.86,48.11)
  SIG1 w0.203: 25.65,51.19 19.63,51.19 16.56,48.11 v5(11.86,48.11)
  SIG1 w0.254: v1(51.41,20.45) 51.41,20.18 51.97,19.61 53.14,19.61 54.36,20.83 v1(54.36,22.36) ; 25.65,51.19 v1(26.09,51.19)
  SIG1 w0.381: v2(45.52,11.41) 43.18,9.07 43.18,2.22 44.58,0.82 59.84,0.82 62.1,3.08 80.77,3.08 81.53,3.84 81.53,4.68 82.12,5.26 89.32,5.26 J12.17 ; v2(91.67,1.15) 92.35,0.46 111.86,0.46 112.37,0.97 112.37,2.54 J12.1
  POWER1 w0.381: v5(43.3,14.78) 45.52,12.56 v2(45.52,11.41) ; v9(51.67,52.95) 60.94,52.95 61.69,53.69 61.93,53.93 74.04,53.93 v2(77.18,50.79)
  SIG2 w0.127: v5(53.3,39.9) 53.61,39.9 53.74,39.77 55.19,39.77 55.31,39.89 55.31,40.02 55.48,40.19 55.72,40.19 55.89,40.02 55.89,39.89 56.02,39.77 57.97,39.77 60.52,42.31 61.81,42.31 v2(61.98,42.14)
  BOTTOM w0.102: 65.68,42.14 v2(61.98,42.14)
  BOTTOM w0.127: C18.2 41.65,55.26 41.65,55.26 C23.2 ; R55.1 68.78,39.05 65.68,42.14 ; C77.1 53.79,37.97 v5(53.29,38.47)
  BOTTOM w0.152: v1(54.36,22.36) 55.47,22.36 56.03,21.8 R54.1
  BOTTOM w0.203: C38.1 49.23,29.55 49.14,29.46 49.14,29.1 ; U3.D1 U3.E1 ; U3.D1 50.71,29.13 50.31,29.53 ; U3.D1 U3.D2 U3.E2 U3.E1 ; U3.E1 50.31,29.53 ; 50.31,29.53 49.99,29.53 49.99,29.1 ; C21.2 41.63,50.91 41.63,50.91 C29.2 ; v2(77.18,50.79) 77.7,50.27 77.7,47.88 79.27,46.31 R52.1 ; v1(42.13,54) 42.13,54.19 41.65,54.67 C18.2 ; v5(47.69,29.28) 47.66,29.3 47.23,29.3 47.06,29.13 R12.1 ; C80.1 46.13,44.18 46.04,44.08 45.33,44.08 U9.5 ; v2(42.04,55.48) 41.65,55.48 C23.2 ; v1(42.04,52.6) 41.91,52.6 C27.2
  BOTTOM w0.229: U4.4 47.37,35.82 ; U4.4 47.72,35.22 ; U4.4 47.02,35.22 ; 48.3,37.62 L9.2 ; L9.2 49.25,39.92 ; L9.2 47.35,39.92 ; C75.1 51.97,40.86 ; C75.1 51.47,40.41 ; C75.1 51.47,41.31 ; C75.1 50.97,40.86 ; 53.74,32.07 U6.4 53.14,32.42 ; C62.1 53,41.31 ; C62.1 52.5,40.86 ; C62.1 53,40.4 ; C76.1 50.07,41.3 ; C76.1 49.57,40.85 ; C76.1 50.07,40.4 ; C76.1 50.57,40.85 ; 52.13,32.36 C53.1 52.58,32.86 ; C38.1 48.7,30.01 ; C38.1 48.2,29.55 ; C38.1 48.7,29.1 ; 47.36,36.13 C41.1 ; C41.1 47.81,36.63 ; C41.1 47.36,37.13
  BOTTOM w0.254: v1(46.11,47.89) 46.11,47.51 45.91,47.31 45.89,47.31 45.83,47.26 C3.2 45.18,45.7 44.77,45.29 44.77,44.37 45.06,44.08 U9.5 ; 53.52,40.86 53.52,40.86 U8.D1 ; 53.52,40.86 53.7,40.86 54.11,41.26 U8.E1 ; 53.52,40.86 C62.1 ; v1(51.41,20.45) 50.09,21.77 50.09,22.41 49.68,22.81 48.51,22.81 47.77,23.56 v5(47.36,23.56) ; C29.2 v1(41.93,51.36) ; v1(77.95,53.2) 79.69,54.95 81.53,54.95 82.15,55.56 R219.1 82.96,56.24 83.49,56.77 v2(83.49,58.48) ; U8.E1 U8.D1 ; U8.E1 U8.E2 U8.D2 U8.D1 ; R15.1 48.56,26.26 48.55,26.26 C49.1 ; C15.2 49.57,47.37 v1(49.57,47.72) ; C21.2 v1(41.98,50.66) ; v1(42,49.69) 41.89,49.81 C25.2
  BOTTOM w0.305: D8.1 v1(92.3,58.48)
  BOTTOM w0.381: v2(91.67,1.15) 91.67,2.92 J12.17 ; v9(51.67,52.95) 51.67,53.46 51.84,53.63 51.84,55 51.46,55.38 48.67,55.38 47.54,56.5 v1(47.04,56.5) 46.53,56.5 45.91,57.12 C2.2 C1.2